# Altium PCB EPS.PcbDoc (part 5 of 11) (continued)
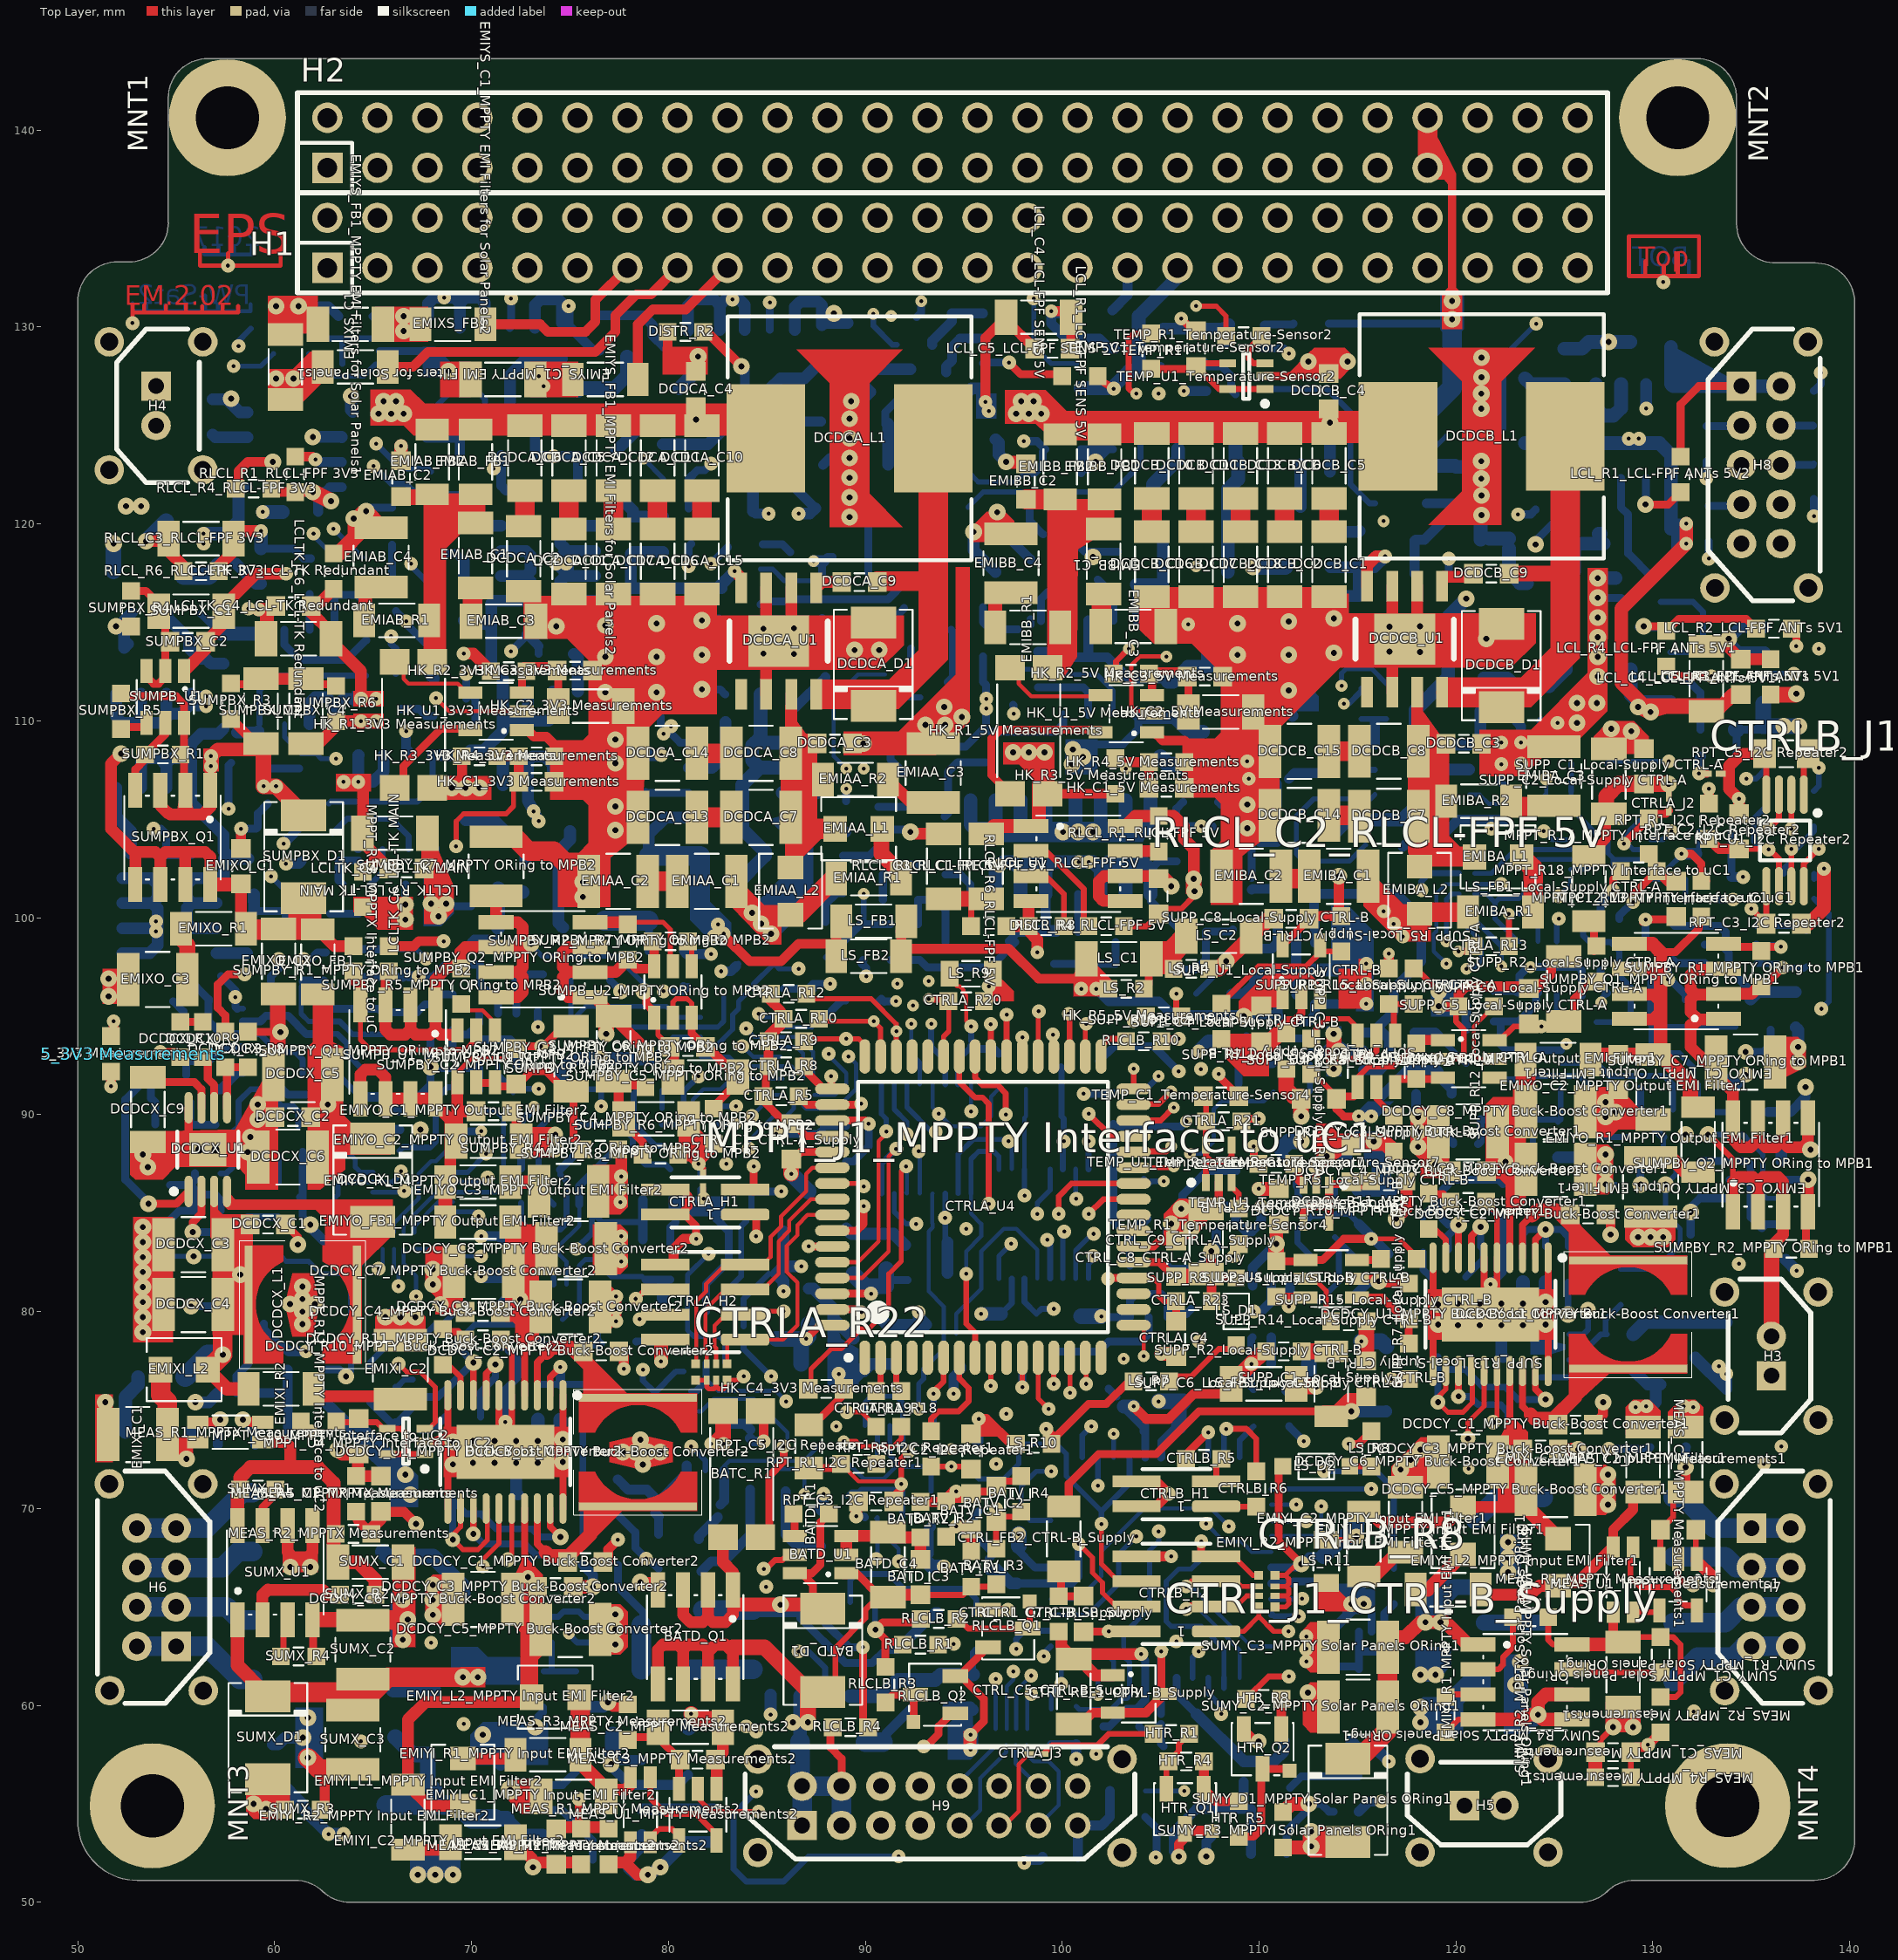
[diagram p0: Top Layer view]
## Nets (pads, with @x,y where several pads share a name; then routed paths per layer and width w, separated by ;. In a path a pad name is that pad's centre, name@x,y a point inside that pad or via, vN(x,y) a via of type N, cw(c..) or ccw(c..) an arc to the next point about the centre after c; other vN are vias at no path point) (continued)
  Signal 2 w0.208: v1(70.485,82.804) 72.263,82.804 72.771,82.296 75.692,82.296 76.2,82.804 76.2,86.614 77.216,87.63 78.867,87.63 79.502,88.265 82.169,88.265 v1(82.931,87.503)
  Control Signals 1 w0.254: v1(82.931,87.503) 85.217,85.217 86.487,85.217 89.662,82.042 92.837,82.042 94.107,80.772 97.028,80.772 97.917,79.883 97.917,77.978 v1(99.568,76.327)
  Bottom Layer w0.208: CTRLA_R1.5@67.081,83.185 68.453,83.185 68.834,82.804 v1(70.485,82.804)
CTRLA_SPI_MOSI: CTRLA_R1.6 CTRLA_R11.6 CTRLA_R16.5 CTRLA_R24.5 CTRLA_U4.12 | length 142.6
  Top Layer w0.254: CTRLA_U4.12@98.774,77.656 98.774,75.597 v1(99.314,75.057)
  Signal 1 w0.254: v1(96.622,61.341) 95.733,62.23 94.234,62.23 93.726,62.738 93.726,64.389 96.774,67.437 96.774,68.961 97.409,69.596 97.409,70.993 97.917,71.501 97.917,73.001 98.425,73.509 98.425,74.676 98.806,75.057 v1(99.314,75.057)
  Signal 2 w0.208: v1(67.183,80.772) 67.183,82.423 67.818,83.058 68.961,83.058 69.469,82.55 69.469,81.407 69.85,81.026 70.993,81.026 71.628,81.661 83.439,81.661 85.598,83.82 85.598,84.963 87.122,86.487 87.122,92.075 v1(88.138,93.091)
  Control Signals 2 w0.208: 85.598,82.296 84.455,82.296 82.296,84.455 81.28,84.455 80.645,85.09 80.645,89.408 84.328,93.091 v1(88.138,93.091)
  Control Signals 2 w0.254: 85.598,82.296 89.408,78.486 98.044,78.486 98.806,77.724 ; v1(99.314,75.057) 98.806,75.565 98.806,77.724 ; v3(119.507,98.806) 117.729,97.028 117.729,94.107 114.046,90.424 114.046,88.646 114.427,88.265 114.427,86.614 113.792,85.979 113.792,80.137 109.982,76.327 107.061,76.327 106.426,76.962 102.108,76.962 101.473,77.597 98.933,77.597 98.806,77.724
  Bottom Layer w0.208: CTRLA_R1.6@66.548,83.185 66.548,82.423 67.183,81.788 v1(67.183,80.772) ; CTRLA_R24.5@87.401,90.995 88.456,90.995 89.027,91.567 89.027,92.115 88.265,92.877 88.265,92.964 v1(88.138,93.091) ; CTRLA_R16.5@96.622,58.801 v1(96.622,61.341) ; v1(67.183,80.772) 67.102,80.772 67.183,80.691 v1(67.183,80.772)
  Bottom Layer w0.254: v3(119.507,98.806) 119.507,100.942 119.78,101.215 120.138,101.215 CTRLA_R11.6@120.142,101.219
CTRLA_SPI_SCK: CTRLA_R3.1 CTRLA_U4.11 | length 3.4
  Top Layer w0.254: v1(97.974,76.152) CTRLA_U4.11@97.974,77.656
  Bottom Layer w0.4: CTRLA_R3.1@97.906,77.978 CTRLA_R3.1@97.906,77.851 97.974,77.783 v1(97.974,76.152)
CTRLAB_3V3D: "LCL_R2_LCL-FPF ANTs 5V1.1" "LCL_R2_LCL-FPF ANTs 5V2.1" "LCL_R2_LCL-FPF CAMnadir 3V3.1" "LCL_R2_LCL-FPF CAMwing 3V3.1" "LCL_R2_LCL-FPF SENS 5V.1" "LCL_R2_LCL-FPF SunS 3V3.1" "LCLTK_R6_LCL-TK MAIN.1" "LCLTK_R6_LCL-TK Redundant.1" LS_R7.2 LS_R8.1 LS_R10.2 RLCLB_R1.2 SEL_R1.2 | length 245
  Top Layer w0.3: 137.044,114.681 137.287,114.438
  Top Layer w0.4: RLCLB_R1.2@93.699,63.081 94.45,63.081 v1(94.488,63.119) ; v1(99.187,74.041) 99.568,73.66 99.695,73.66 101.346,75.311 102.235,75.311 103.378,76.454 LS_R7.2@103.621,76.454 ; v1(114.554,73.279) 115.051,73.279 LS_R8.1@115.697,73.925 ; v1(137.287,113.792) 137.287,114.438
  Power w0.3: v1(61.976,119.507) 60.706,120.777 60.706,121.92 61.214,122.428 62.611,122.428 64.262,124.079 v1(65.151,124.079)
  Signal 1 w0.4: v1(94.488,63.119) 94.488,63.881 98.552,67.945 98.552,72.39 99.187,73.025 v1(99.187,74.041)
  Signal 1 w0.6: v1(82.169,123.063) 87.249,128.143 91.313,128.143 92.837,129.667 v3(92.837,131.318)
  Signal 1 w0.7: v2(124.041,118.961) 128.435,118.961 132.207,115.189 135.89,115.189 v1(137.287,113.792)
  Signal 2 w0.6: v1(59.817,102.108) 59.309,102.616 59.309,105.347 58.547,106.109 58.547,107.696 62.484,111.633 62.484,118.364 ; v1(61.976,119.507) 61.976,118.872 62.484,118.364 ; v1(82.169,123.063) 79.629,120.523 67.691,120.523 65.532,118.364 62.484,118.364
  Signal 2 w0.7: v3(92.837,131.318) 94.248,129.907 102.63,129.907 104.902,127.635 v1(104.902,126.619)
  Control Signals 1 w0.4: v1(114.554,73.279) 115.316,74.041 118.618,74.041 v3(120.65,72.009)
  Control Signals 1 w0.7: v1(104.902,126.619) 104.902,125.603 108.331,122.174 117.348,122.174 120.561,118.961 v2(124.041,118.961)
  Control Signals 2 w0.4: v3(114.186,111.774) 121.906,111.774 ; v3(120.65,72.009) 123.19,72.009 126.111,74.93 126.111,76.708 128.016,78.613 128.016,81.28 126.492,82.804 126.492,92.075 128.397,93.98 128.397,97.282 127,98.679 127,106.68 121.906,111.774 ; v2(124.041,118.961) 124.041,113.909 121.906,111.774
  Control Signals 2 w0.6: v1(99.187,74.041) 99.766,74.041 100.909,75.184 102.355,75.184 104.641,72.898 109.347,72.898 110.871,74.422 113.411,74.422 v1(114.554,73.279)
  Bottom Layer w0.254: v1@61.976,119.391 62.992,118.375 ; v3(114.186,111.774) 114.186,112.408 114.427,112.649 115.708,112.649 116.459,111.898
  Bottom Layer w0.3: v1(59.817,102.108) 60.325,101.6 61.457,101.6 ; v1@61.976,119.391 v1(61.976,119.507) ; v1(65.151,124.079) 66.421,122.809 67.807,122.809 67.945,122.671
  Bottom Layer w0.4: SEL_R1.2@81.026,120.788 81.026,122.29 81.476,122.74 81.846,122.74 v1(82.169,123.063) ; 92.6,130.5 92.837,130.737 v3(92.837,131.318) ; v2(124.041,118.961) 124.041,119.141 125.5,120.6
CTRLB_3V3a: "LS_FB1_Local-Supply CTRL-B.2" "SUPP_C1_Local-Supply CTRL-B.1" "SUPP_C2_Local-Supply CTRL-B.1" "TEMP_R5_Local-Supply CTRL-B.2" CTRL_FB1_CTRL-B_Supply.1 CTRL_FB2_CTRL-B_Supply.1 CTRLB_R10.2 | length 67.3
  Top Layer w0.4: CTRL_FB2_CTRL-B_Supply.1@100.33,70.103 100.33,71.247 101.854,72.771 104.775,72.771 106.935,74.931 113.284,74.931
  Top Layer w0.6: 113.284,74.931 113.92,74.931 114.543,75.554 114.935,75.554 ; v2(116.967,84.709) 117.486,85.228 117.486,86.614
  Power w0.6: v2(114.681,74.93) 114.681,77.089 113.792,77.978 113.792,83.439 115.062,84.709 v2(116.967,84.709)
  Signal 2 w0.6: v1(116.586,57.15) 116.586,63.373 117.221,64.008 117.221,69.469 119.507,71.755 119.507,73.533 118.11,74.93 118.11,81.788 116.967,82.931 v2(116.967,84.709)
  Bottom Layer w0.6: CTRL_FB1_CTRL-B_Supply.1@114.68,58.166 114.997,57.848 115.887,57.848 ; v2(114.681,74.93) 116.458,74.93 116.459,74.931 ; v1(116.586,57.15) 115.887,57.848 ; CTRLB_R10.2@116.586,58.663 115.887,57.964 115.887,57.848
CTRLB_3V3D: "RPT_C3_I2C Repeater2.2" "RPT_C5_I2C Repeater2.1" "RPT_R1_I2C Repeater2.1" "RPT_R2_I2C Repeater2.1" "RPT_U1_I2C Repeater2.1" "RPT_U1_I2C Repeater2.5" "RPT_U1_I2C Repeater2.8" "SUPP_C5_Local-Supply CTRL-B.1" "SUPP_C6_Local-Supply CTRL-B.1" "SUPP_R2_Local-Supply CTRL-B.1" "SUPP_U3_Local-Supply CTRL-B.6" CTRL_C1_CTRL-B_Supply.1 CTRL_C2_CTRL-B_Supply.1 CTRL_C8_CTRL-B_Supply.1 CTRL_C9_CTRL-B_Supply.1 CTRLA_R14.2 CTRLB_C3.1 CTRLB_C4.1 CTRLB_H2.4 CTRLB_R1.1 CTRLB_R2.1 CTRLB_R7.2 CTRLB_R8.1 CTRLB_R8.2 CTRLB_R8.3 CTRLB_R8.4 CTRLB_U1.5 CTRLB_U1.17 CTRLB_U1.38 LS_D2.A LS_R11.2 SEL_C3.1 SEL_R11.2 SEL_U2.5 | length 252.2
  Top Layer w0.254: v1(100.838,68.199) 101.533,67.504 101.533,66.742 102.049,66.226 102.049,65.718 102.742,65.025 CTRLB_H2.4@103.773,65.025 ; CTRLB_R8.1@110.807,65 111.354,65 111.506,65.152 111.506,65.406 111.354,65.558 ; CTRLB_R8.2@110.807,65.558 111.354,65.558 ; CTRLB_R8.3@110.807,66.041 111.379,66.041 ; CTRLB_R8.4@110.807,66.6 111.328,66.6 ; v2(112.141,67.183) 111.911,67.183 111.328,66.6 ; 111.328,66.6 111.506,66.422 111.506,66.168 111.379,66.041 ; 111.354,65.558 111.404,65.558 111.506,65.66 111.506,65.914 111.379,66.041
  Top Layer w0.3: LS_R11.2@113.411,68.41 114.765,68.41 v4(114.935,68.58) ; v1(135.001,100.457) 135.752,99.706 135.752,99.695 135.763,99.706 135.763,101.6 ; 137.668,101.6 137.668,102.743 v1(138.43,103.505) ; 137.668,106.25 137.668,108.12 137.879,108.331 138.43,107.78 v1(138.43,107.611)
  Top Layer w0.4: LS_D2.A@111.203,72.136 110.998,71.931 110.998,68.326 v2(112.141,67.183)
  Top Layer w0.5: v3(103.632,75.18) 104.263,74.549 105.41,74.549 106.68,75.819 108.204,75.819 ; 132.842,105.802 v1(132.842,106.553)
  Top Layer w0.8: 108.712,76.454 v1(109.601,77.343) 110.167,77.909
  Signal 1 w0.4: v1(100.711,57.277) 100.711,58.166 102.743,60.198 102.743,62.738 103.378,63.373 103.378,66.548 102.87,67.056 102.87,69.088 103.505,69.723 105.537,69.723 106.29,68.97 106.29,67.827 106.934,67.183 108.839,67.183 110.109,68.453 ; v1(100.838,68.199) 100.479,68.558 100.479,70.38 100.838,70.739 100.838,71.374 102.362,72.898 102.87,72.898 103.632,73.66 ; v3(103.632,75.18) 103.632,73.66 ; v2(112.141,67.183) 111.379,67.183 110.109,68.453 ; v3(116.332,120.142) 119.253,120.142 123.19,116.205 123.19,110.49 128.016,105.664 131.953,105.664 v1(132.842,106.553) ; 103.632,73.66 104.521,72.771 107.188,72.771 110.109,69.85 110.109,68.453
  Signal 1 w0.5: v1(105.918,92.202) 105.918,91.948 107.569,90.297 107.569,89.154 109.474,87.249 110.744,87.249 111.76,86.233 111.76,82.169 110.531,80.94 110.531,78.273 v1(109.601,77.343) ; v1(132.842,106.553) 134.493,108.204 137.837,108.204 v1(138.43,107.611) v1(138.43,103.505) 135.382,100.457 v1(135.001,100.457)
  Control Signals 1 w0.4: v3(87.376,118.11) 96.393,118.11 98.171,116.332 103.124,116.332 106.934,120.142 v3(116.332,120.142)
  Control Signals 1 w0.6: v1(109.601,77.343) 111.252,77.343 113.792,79.883 116.332,79.883 119.38,82.931 121.539,82.931 123.621,85.013 123.621,89.712 128.905,94.996 128.905,97.409 132.715,101.219 132.715,102.87 135.636,105.791 136.61,105.791 v1(138.43,107.611)
  Bottom Layer w0.254: SEL_R11.2@84.671,117.702 85.295,117.702 85.88,117.117 SEL_U2.5@87.806,117.117
  Bottom Layer w0.3: 138.176,106.437 138.43,106.691 v1(138.43,107.611)
  Bottom Layer w0.4: SEL_U2.5@87.806,117.117 87.806,118.043 87.873,118.11 88.089,118.326 SEL_C3.1@88.343,118.326 ; CTRLB_R7.2@95.758,69.85 95.504,69.596 95.504,68.708 96.52,67.692 CTRLB_C4.1@96.265,67.437 ; CTRLB_C3.1@97.699,66.193 CTRLB_U1.38@99.417,66.193 100.483,66.193 100.838,66.548 v1(100.838,68.199) ; CTRLB_R1.1@99.441,58.028 CTRLB_R2.1@100.584,58.028 CTRLB_R2.1@100.711,58.028 ; CTRLA_R14.2@101.865,92.71 102.627,93.472 104.648,93.472 v1(105.918,92.202) ; CTRL_C2_CTRL-B_Supply.1@102.363,76.073 CTRL_C2_CTRL-B_Supply.1@102.744,75.692 ; CTRL_C1_CTRL-B_Supply.1@104.129,73.914 CTRL_C1_CTRL-B_Supply.1@104.129,74.168 CTRL_C1_CTRL-B_Supply.1@104.129,74.179 ; CTRL_C1_CTRL-B_Supply.1@104.129,74.423 104.217,74.335 CTRLB_U1.5@104.217,72.593 ; 109.667,78.7 109.601,78.634 v1(109.601,77.343) 109.601,76.189 109.717,76.073 ; CTRLB_U1.17@110.617,66.993 111.95,66.993 112.533,67.576 CTRL_C8_CTRL-B_Supply.1@113.284,67.575
  Bottom Layer w0.5: v1(100.711,57.277) CTRLB_R2.1@100.711,58.028 ; CTRL_C2_CTRL-B_Supply.1@103.128,75.18 CTRL_C1_CTRL-B_Supply.1@104.129,74.179
  Bottom Layer w0.6: v3(87.376,118.11) SEL_C3.1@87.873,118.11 ; CTRLB_C4.1@96.266,66.929 96.647,66.929 97.383,66.193 CTRLB_C3.1@97.699,66.193
  Bottom Layer w0.7: CTRL_C2_CTRL-B_Supply.1@103.128,75.18 v3(103.632,75.18)
  Bottom Layer w0.8: CTRL_C8_CTRL-B_Supply.1@113.284,67.575 114.289,68.58 v4(114.935,68.58) 114.935,69.341 CTRL_C9_CTRL-B_Supply.1@115.062,69.468
CTRLB_BATC_Heater: CTRLB_U1.12 HTR_R6.1 | length 23
  Signal 2 w0.254: v1(115.697,70.993) 116.332,70.358 116.332,64.516 115.697,63.881 115.697,55.626 v1(116.205,55.118)
  Bottom Layer w0.254: CTRLB_U1.12@110.617,70.993 v1(115.697,70.993)
  Bottom Layer w0.5: HTR_R6.1@115.062,54.599 115.581,55.118 v1(116.205,55.118)
CTRLB_BATC_PT1000: CTRLB_R11.2 CTRLB_U1.32 | length 10.3
  Control Signals 2 w0.254: v3(101.817,60.528) 103.2,60.528 106.197,57.531 v3(106.197,55.651)
  Bottom Layer w0.254: v3(101.817,60.528) CTRLB_U1.32@101.817,61.393 ; CTRLB_R11.2@104.227,55.651 v3(106.197,55.651)
CTRLB_BURN_SADS: "LCLTK_R11_LCL-TK Redundant.2" "LCLTK_R12_LCL-TK Redundant.2" CTRLB_U1.16 | length 120.8
  Power w0.254: v1(60.452,103.759) 59.563,103.759 55.118,99.314 55.118,92.456 54.737,92.075 54.737,85.09 54.229,84.582 54.229,78.613 57.023,75.819 58.42,75.819 59.309,74.93 59.309,68.707 58.674,68.072 58.674,64.516 64.389,58.801 v1(64.389,58.166)
  Signal 1 w0.254: v1(64.389,58.166) 66.294,60.071 70.612,60.071 74.549,56.134 78.867,56.134 83.058,60.325 94.742,60.325 96.266,58.801 99.822,58.801 101.187,60.166 101.187,67.278 101.727,67.818 101.727,68.453 101.219,68.961 101.219,69.469 103.251,71.501 106.172,71.501 107.315,70.358 v1(107.315,69.229)
  Bottom Layer w0.208: v1(107.315,69.229) 107.301,69.229 108.204,68.326 109.093,68.326 109.626,67.793 CTRLB_U1.16@110.617,67.793
  Bottom Layer w0.4: 60.971,104.278 60.971,104.521 61.15,104.521 61.225,104.521
  Bottom Layer w0.5: v1(60.452,103.759) 60.971,104.278 ; 61.15,104.5 61.15,104.521 61.15,105.208 61.341,105.399
CTRLB_BURN_SAIL: "LCLTK_R3_LCL-TK Redundant.2" "LCLTK_R5_LCL-TK Redundant.2" CTRLB_U1.15 | length 116.8
  Signal 2 w0.254: v1(67.691,97.917) 68.961,96.647 68.961,92.075 68.199,91.313 65.659,91.313 59.055,84.709 59.055,77.47 60.071,76.454 60.071,71.628 63.754,67.945 63.754,62.103 71.755,54.102 80.518,54.102 83.312,51.308 100,51.308 104.572,55.88 104.572,57.201 109.22,61.849 109.22,65.786 111.76,68.326 112.522,68.326 113.157,68.961 v1(113.157,70.104)
  Bottom Layer w0.208: CTRLB_U1.15@110.617,68.593 112.789,68.593 113.157,68.961 v1(113.157,70.104)
  Bottom Layer w0.254: 65.494,98.376 67.232,98.376 v1(67.691,97.917)
  Bottom Layer w0.4: 64.25,98.4 65.494,98.4
CTRLB_HK_SUPP_TEMP: CTRLB_U1.34 TEMP_R1_Temperature-Sensor7.2 | length 39.3
  Top Layer w0.4: TEMP_R1_Temperature-Sensor7.2@109.728,87.376 v1(109.728,88.392)
  Signal 2 w0.208: v1(99.06,62.484) 101.219,64.643 104.521,64.643 105.029,64.135 106.934,64.135 107.95,65.151 107.95,66.802 109.474,68.326 109.474,71.628 110.744,72.898 110.744,77.47 108.966,79.248 108.966,80.499 111.633,83.166 111.633,85.852 109.728,87.757 v1(109.728,88.392)
  Bottom Layer w0.3: v1(99.06,62.484) 99.162,62.484 99.187,62.509 99.06,62.636 CTRLB_U1.34@99.417,62.993
CTRLB_HK_TEMP: CTRLB_U1.37 TEMP_R1_Temperature-Sensor5.2 | length 26
  Control Signals 1 w0.3: v1(108.458,69.088) 111.252,71.882 v1(113.284,71.882)
  Bottom Layer w0.208: CTRLB_U1.37@99.417,65.393 100.826,65.393 101.978,66.545 101.978,67.815 104.162,69.999 107.547,69.999 v1(108.458,69.088)
  Bottom Layer w0.3: v1(113.284,71.882) 115.951,71.882 116.84,70.993 TEMP_R1_Temperature-Sensor5.2@116.84,66.94
CTRLB_JTAG_R\E\S\E\T\: CTRLB_C2.1 CTRLB_H2.6 CTRLB_R7.1 CTRLB_U1.4 | length 18.8
  Top Layer w0.254: v1(101.99,69.215) 101.99,67.174 102.869,66.295 CTRLB_H2.6@103.773,66.295
  Bottom Layer w0.254: CTRLB_R7.1@95.504,71.766 95.769,71.501 97.028,71.501 97.79,72.263 97.79,73.036 CTRLB_C2.1@97.547,73.279 99.695,73.279 100.203,72.771 100.203,71.647 101.99,69.859 ; CTRLB_C2.1@97.42,73.279 CTRLB_C2.1@97.484,73.215
  Bottom Layer w0.3: v1(101.99,69.215) 101.99,69.859 103.417,71.286 CTRLB_U1.4@103.417,72.593 CTRLB_U1.4@103.301,72.709
CTRLB_JTAG_TCK: CTRLB_H2.1 CTRLB_R8.8 CTRLB_U1.21 | length 4.8
  Top Layer w0.254: CTRLB_H2.1@107.823,63.755 109.221,63.755 109.982,64.516 ; CTRLB_R8.8@109.982,65 109.982,64.516 ; v1(111.492,63.754) 110.744,63.754 109.982,64.516
CTRLB_JTAG_TDI: CTRLB_H2.7 CTRLB_R8.5 CTRLB_U1.24 | length 14.4
  Top Layer w0.254: CTRLB_H2.7@107.441,67.565 CTRLB_H2.7@107.823,67.565 108.712,67.565 109.677,66.6 CTRLB_R8.5@109.982,66.6
  Top Layer w0.4: CTRLB_H2.7@107.061,67.564 v1(107.061,68.326)
  Bottom Layer w0.254: v1(107.061,68.326) 107.061,67.437 106.553,66.929 105.918,66.929 105.283,66.294 105.283,64.262 105.537,64.008 107.061,64.008 108.217,62.852 CTRLB_U1.24@108.217,61.393
  Bottom Layer w0.3: CTRLB_U1.24@108.217,60.884 CTRLB_U1.24@108.217,61.393
CTRLB_JTAG_TDO: CTRLB_H2.3 CTRLB_R8.7 CTRLB_U1.23 | length 9
  Top Layer w0.254: CTRLB_H2.3@107.823,65.025 108.839,65.025 109.372,65.558 CTRLB_R8.7@109.982,65.558
  Top Layer w0.4: v1(106.299,64.898) 106.439,65.038 107.81,65.038 CTRLB_H2.3@107.823,65.025
  Bottom Layer w0.208: v1(106.299,64.898) 106.933,64.898 109.017,62.814 CTRLB_U1.23@109.017,61.393
CTRLB_JTAG_TMS: CTRLB_H2.5 CTRLB_R8.6 CTRLB_U1.22 | length 8.6
  Top Layer w0.254: CTRLB_H2.5@108.839,66.295 109.093,66.041 CTRLB_R8.6@109.982,66.041
  Top Layer w0.3: v1(106.299,66.041) 106.553,66.295 CTRLB_H2.5@107.823,66.295
  Bottom Layer w0.208: v1(106.299,66.041) 106.552,66.041 109.6,62.993 CTRLB_U1.22@110.617,62.993
  Bottom Layer w0.3: v1(106.299,66.041) v1@106.299,66.168
CTRLB_LCLs_ANTs_FlagB: "LCL_U1_LCL-FPF ANTs 5V1.7" CTRLB_R2.2 CTRLB_U1.30 | length 101.4
  Signal 1 w0.254: v1(104.902,68.834) 104.521,68.453 104.521,65.659 106.299,63.881 107.315,63.881 111.506,59.69 113.411,59.69 116.967,63.246 119.888,63.246 121.793,65.151 124.206,65.151 128.778,69.723 128.778,71.755 130.333,73.31 136.367,73.31 v1(136.525,73.152)
  Signal 2 w0.254: v1(136.525,73.152) 136.525,74.676 137.541,75.692 137.541,79.629 136.525,80.645 136.525,94.361 139.446,97.282 139.446,111.125 138.176,112.395 v1(137.16,112.395)
  Bottom Layer w0.254: CTRLB_R2.2@100.711,59.944 100.863,59.792 102.476,59.792 103.031,60.347 103.273,60.347 103.417,60.491 CTRLB_U1.30@103.417,61.393 103.417,62.191 103.124,62.484 103.124,63.627 104.439,64.942 104.439,67.863 104.902,68.326 v1(104.902,68.834) ; 135.672,112.215 135.852,112.395
  Bottom Layer w0.3: 135.852,112.395 v1(137.16,112.395)
CTRLB_LCLs_ANTs_ON: "LCL_R4_LCL-FPF ANTs 5V1.2" CTRLB_U1.26 | length 87.6
  Top Layer w0.4: 130.683,112.765 130.694,112.765 131.191,112.268 v1(132.969,112.268)
  Signal 1 w0.254: v1(106.934,62.738) 110.744,58.928 114.808,58.928 116.586,60.706 119.761,60.706 122.809,63.754 124.206,63.754 130.175,69.723 130.175,72.009 131.019,72.853 135.046,72.853 v1(135.636,72.263)
  Signal 2 w0.254: v1(132.969,112.268) 134.613,110.624 137.788,110.624 138.303,110.109 138.303,109.347 137.713,108.757 137.713,96.946 135.89,95.123 135.89,81.153 134.62,79.883 134.62,75.438 135.636,74.422 v1(135.636,72.263)
  Bottom Layer w0.3: CTRLB_U1.26@106.617,61.393 106.617,62.421 v1(106.934,62.738)
CTRLB_LCLs_TKred_FlagB: "LCLTK_U1_LCL-TK Redundant.7" CTRLB_R1.2 CTRLB_U1.31 | length 105.9
  Power w0.254: v1(63.119,108.077) 61.849,106.807 61.849,102.616 56.007,96.774 56.007,92.329 55.342,91.664 55.342,84.901 54.864,84.423 54.864,78.867 57.277,76.454 58.928,76.454 60.071,75.311 60.071,68.199 59.563,67.691 59.563,65.532 63.119,61.976 66.739,61.976 v1(67.945,63.182)
  Signal 1 w0.254: v1(67.945,63.182) 70.421,63.182 74.676,58.928 79.375,58.928 81.407,60.96 94.869,60.96 96.139,59.69 99.314,59.69 99.949,60.325 v1(99.949,61.087)
  Signal 2 w0.254: v1@67.945,63.119 v1(67.945,63.182)
  Bottom Layer w0.254: 60.5,109.84 60.5,109.172 61.341,108.331 62.103,108.331 62.357,108.077 v1(63.119,108.077) ; CTRLB_R1.2@99.441,59.828 99.441,60.579 v1(99.949,61.087) 99.949,61.849 100.838,62.738 102.108,62.738 102.617,62.229 CTRLB_U1.31@102.617,61.393
CTRLB_LCLs_TKred_ON: "LCLTK_R13_LCL-TK Redundant.2" CTRLB_U1.25 | length 131.8
  Signal 2 w0.3: v1(62.992,119.758) 62.354,120.396 61.468,120.396 59.563,118.491 59.563,116.967 60.452,116.078 60.452,111.125 57.785,108.458 57.785,106.934 55.118,104.267 55.118,85.09 54.356,84.328 54.356,77.724 55.499,76.581 57.785,76.581 59.309,75.057 59.309,71.247 62.992,67.564 62.992,61.722 71.374,53.34 80.137,53.34 82.804,50.673 107.442,50.673 108.585,51.816 108.585,59.055 v1(108.077,59.563)
  Bottom Layer w0.254: v1(62.992,119.758) 64.45,118.3
  Bottom Layer w0.3: CTRLB_U1.25@107.417,61.393 107.417,60.604 108.077,59.944 v1(108.077,59.563)
CTRLB_Vref: CTRL_C5_CTRL-B_Supply.1 CTRL_C6_CTRL-B_Supply.1 CTRL_R1_CTRL-B_Supply.1 CTRL_REF1_CTRL-B_Supply.1 CTRLB_R9.2 CTRLB_U1.29 | length 28.6
  Top Layer w0.6: CTRL_R1_CTRL-B_Supply.1@99.949,63.743 99.949,62.991 CTRL_C5_CTRL-B_Supply.1@100.584,62.356 ; CTRL_REF1_CTRL-B_Supply.1@102.576,61.529 101.666,61.529 100.839,62.356 CTRL_C5_CTRL-B_Supply.1@100.584,62.356 ; v1(104.013,62.611) 100.839,62.611 CTRL_C5_CTRL-B_Supply.1@100.584,62.356
  Control Signals 2 w0.4: v1(104.013,62.611) 104.013,61.265 107.569,57.709 107.569,55.22 106.756,54.407 105.512,54.407 104.75,53.645 v1(104.75,52.273)
  Bottom Layer w0.4: CTRL_C6_CTRL-B_Supply.1@102.097,58.928 102.387,58.928 103.276,59.817 103.759,59.817 104.217,60.275 CTRLB_U1.29@104.217,61.393 104.217,62.28 104.013,62.484 v1(104.013,62.611) ; CTRLB_R9.2@104.227,54.331 104.8,53.758 104.8,52.323 v1(104.75,52.273)
DGND: "HK_C4_3V3 Measurements.2" "HK_C4_5V Measurements.2" "HK_C4_VBAT Measurements.2" "RPT_C1_I2C Repeater1.2" "RPT_C1_I2C Repeater2.2" "RPT_C2_I2C Repeater1.2" "RPT_C2_I2C Repeater2.2" "RPT_C3_I2C Repeater1.1" "RPT_C3_I2C Repeater2.1" "RPT_C5_I2C Repeater1.2" "RPT_C5_I2C Repeater2.2" "RPT_U1_I2C Repeater1.4" "RPT_U1_I2C Repeater2.4" CTRL_C1_CTRL-A_Supply.2 CTRL_C1_CTRL-B_Supply.2 CTRL_C2_CTRL-A_Supply.2 CTRL_C2_CTRL-B_Supply.2 CTRL_C3_CTRL-A_Supply.2 CTRL_C3_CTRL-B_Supply.2 CTRL_C4_CTRL-A_Supply.2 CTRL_C4_CTRL-B_Supply.2 CTRL_C5_CTRL-A_Supply.2 CTRL_C5_CTRL-B_Supply.2 CTRL_C6_CTRL-A_Supply.2 CTRL_C6_CTRL-B_Supply.2 CTRL_C7_CTRL-A_Supply.2 CTRL_C7_CTRL-B_Supply.2 CTRL_C8_CTRL-A_Supply.2 CTRL_C8_CTRL-B_Supply.2 CTRL_C9_CTRL-A_Supply.2 CTRL_C9_CTRL-B_Supply.2 CTRL_J1_CTRL-A_Supply.2 CTRL_J1_CTRL-B_Supply.2 CTRL_REF1_CTRL-A_Supply.2 CTRL_REF1_CTRL-A_Supply.3 CTRL_REF1_CTRL-B_Supply.2 CTRL_REF1_CTRL-B_Supply.3 CTRLA_C1.2 CTRLA_C2.2 CTRLA_C3.2 CTRLA_C4.2 CTRLA_C5.2 CTRLA_H1.2 CTRLA_H1.4 CTRLA_H2.2 CTRLA_H2.8 CTRLA_R6.1 CTRLA_R7.1 CTRLA_R15.1 CTRLA_U1.1 CTRLA_U1.3 CTRLA_U2.3 CTRLA_U2.15 CTRLA_U3.3 CTRLA_U3.15 CTRLA_U4.22 CTRLA_U4.53 CTRLA_U4.63 CTRLB_C1.2 CTRLB_C2.2 CTRLB_C3.2 CTRLB_C4.2 CTRLB_H1.2 CTRLB_H1.4 CTRLB_H2.2 CTRLB_H2.8 CTRLB_J1.2 CTRLB_R4.1 CTRLB_U1.6 CTRLB_U1.18 CTRLB_U1.28 CTRLB_U1.39 LS_R9.1 LS_R10.1 LS_R11.1 TEMP_C1_Temperature-Sensor4.2 TEMP_C1_Temperature-Sensor5.2 TEMP_U1_Temperature-Sensor4.2 TEMP_U1_Temperature-Sensor5.2 | length 124.1
  Top Layer w0.208: LS_R9.1@94.023,97.155 94.663,96.515 94.8,96.515 94.98,96.335 94.98,96.198 95.123,96.055 95.123,94.742 v1(95.377,94.488)
  Top Layer w0.3: CTRLA_H1.2@79.845,84.925 80.607,84.925 CTRLA_H1.2@80.81,84.925 ; CTRLB_J1.2@133.452,107.315 133.858,107.315 ; 135.679,108.331 135.763,108.247 135.763,106.25
  Top Layer w0.4: CTRLA_H2.2@79.375,78.613 CTRLA_H2.2@79.629,78.359 ; CTRLA_H1.4@79.845,86.195 80.683,86.195 81.026,85.852 81.026,85.344 CTRLA_H1.2@80.607,84.925 ; CTRLA_H1.2@80.81,84.925 81.407,84.328 v1(81.407,83.693) ; CTRL_C1_CTRL-A_Supply.2@86.36,87.746 86.72,88.106 CTRLA_U4.53@88.324,88.106 ; 87.122,74.252 87.466,74.596 87.71,74.596 89.038,75.924 89.038,76.189 88.646,76.581 v1(88.646,76.835) ; CTRLA_U4.63@88.324,80.106 89.671,80.106 v1(89.804,79.973) 89.891,79.973 v1@89.916,79.948 ; CTRL_C7_CTRL-B_Supply.2@101.219,63.743 102.351,63.743 v1(102.362,63.754) ; CTRLA_U4.22@103.624,83.306 104.642,83.306 104.913,83.577 CTRL_C8_CTRL-A_Supply.2@105.664,83.577 ; v1(105.029,62.739) 105.029,60.746 CTRL_REF1_CTRL-B_Supply.3@105.196,60.579 ; CTRLA_C4.2@105.653,77.851 CTRLA_C4.2@105.791,77.713 ; CTRL_C9_CTRL-A_Supply.2@107.95,85.09 TEMP_U1_Temperature-Sensor4.2@107.95,86.553 ; v1(107.95,92.075) 107.95,91.959 TEMP_C1_Temperature-Sensor4.2@108.977,90.932 ; LS_R11.1@113.411,66.21 114.47,65.151 v4(114.681,65.151)
  Top Layer w0.5: CTRLA_H2.8@80.264,82.423 80.264,83.185 80.772,83.693 v1(81.407,83.693) ; v1(95.758,74.549) 96.139,74.549 97.409,73.279 LS_R10.1@97.652,73.279 ; CTRL_C5_CTRL-B_Supply.2@100.584,59.056 100.966,59.056 101.539,59.629 CTRL_REF1_CTRL-B_Supply.2@102.576,59.629 104.246,59.629 CTRL_REF1_CTRL-B_Supply.3@105.196,60.579 ; CTRLB_H2.2@103.773,63.755 CTRLB_H2.2@104.521,63.755 ; CTRLB_H2.8@103.773,67.565 v1(105.537,67.565) ; CTRLB_H1.2@103.773,70.105 104.775,70.105 v1(105.41,70.74) 104.775,71.375 CTRLB_H1.4@103.773,71.375
  Top Layer w0.6: v1(89.535,69.596) 89.535,70.242 89.651,70.358 ; 134.366,105.294 v1(134.366,106.045) 133.858,106.553 133.858,107.315 133.858,107.696 134.493,108.331 135.679,108.331
  Top Layer w0.7: v1(79.629,77.47) CTRLA_H2.2@79.629,78.359 ; v1(105.029,77.851) CTRLA_C4.2@105.653,77.851 ; 137.552,99.695 137.922,99.695 138.684,100.457 v1(138.684,102.489)
  Top Layer w0.8: CTRL_C1_CTRL-A_Supply.2@86.222,87.757 CTRL_C1_CTRL-A_Supply.2@86.233,87.746 ; v1(86.233,86.995) CTRL_C1_CTRL-A_Supply.2@86.233,87.492
  Bottom Layer w0.208: CTRLA_U3.3@98.085,87.23 98.085,89.841 CTRLA_C2.2@98.16,89.916 CTRLA_R15.1@98.16,91.186 CTRLA_R15.1@98.16,91.313
  Bottom Layer w0.254: v1(98.085,85.893) CTRLA_U3.3@98.085,87.23
  Bottom Layer w0.3: CTRLA_U2.3@94.066,85.998 94.066,84.766 94.066,83.364 CTRL_C7_CTRL-A_Supply.2@94.118,83.312 ; CTRLA_U2.15@94.716,91.548 94.716,92.8 CTRLA_C1.2@95.261,93.345 ; CTRLA_C1.2@95.377,93.737 v1(95.377,94.488) ; CTRLA_C3.2@96.89,79.883 97.435,80.428 CTRLA_U3.15@97.435,81.68 ; 138.187,102.235 138.187,101.97 138.684,102.467 v1(138.684,102.489)
  Bottom Layer w0.4: v1(89.535,69.596) 89.941,69.596 89.98,69.557 ; CTRLA_C1.2@95.388,93.472 95.515,93.345 96.531,93.345 96.774,93.102 ; CTRLB_C2.2@95.62,73.279 CTRLB_C2.2@95.758,73.417 ; CTRLB_C3.2@97.663,67.957 98.627,66.993 CTRLB_U1.39@99.417,66.993 ; v1(101.981,79.756) 102.021,79.716 CTRLA_U1.3@103.444,79.716 103.444,80.584 103.759,80.899 105.029,80.899 105.344,80.584 CTRLA_U1.1@105.344,79.716 105.511,79.883 106.31,79.883 CTRLA_C5.2@106.553,80.126 ; CTRL_C6_CTRL-B_Supply.2@103.897,58.928 104.151,58.674 104.637,58.674 105.018,59.055 105.018,58.051 CTRL_C3_CTRL-B_Supply.2@105.157,57.912 ; CTRL_C4_CTRL-B_Supply.2@105.018,59.563 105.017,59.564 CTRLB_U1.28@105.017,61.393 105.017,62.727 v1(105.029,62.739) ; CTRLB_U1.6@105.017,72.593 105.029,72.605 105.029,73.396 105.929,74.296 CTRL_C1_CTRL-B_Supply.2@106.056,74.423 ; CTRLA_R7.1@105.294,83.693 105.294,84.212 v2(105.537,84.455) ; v2(106.045,85.217) 106.111,85.283 106.111,85.918 107.326,87.133 CTRLB_C1.2@107.569,87.133 CTRLB_R4.1@108.839,87.133 ; CTRLB_U1.18@110.617,66.193 111.633,66.193 111.739,66.299 112.887,66.299 CTRL_C8_CTRL-B_Supply.2@113.411,65.775 ; v4@114.681,64.781 v4(114.681,65.151) v4@114.808,65.024 ; v4(115.316,65.151) 115.712,64.755 TEMP_U1_Temperature-Sensor5.2@115.712,63.749
  Bottom Layer w0.5: CTRLB_C4.2@92.965,67.437 93.218,67.69 93.218,68.95 93.345,69.077 ; CTRLB_C2.2@95.758,73.417 v1(95.758,74.549) ; TEMP_C1_Temperature-Sensor5.2@113.665,63.765 v4@114.681,64.781
  Bottom Layer w0.6: CTRL_C4_CTRL-A_Supply.2@87.122,81.164 87.365,81.164 88.392,80.137 88.392,79.63 CTRL_C5_CTRL-A_Supply.2@89.408,78.614 ; CTRL_C3_CTRL-A_Supply.2@89.915,76.962 90.296,77.343 91.429,77.343 ; CTRL_C6_CTRL-A_Supply.2@90.932,79.491 CTRL_C6_CTRL-A_Supply.2@91.059,79.364 91.088,79.335 93.091,79.335 92.71,79.716 v1(92.71,79.97) ; CTRL_REF1_CTRL-A_Supply.2@94.168,81.955 CTRL_C7_CTRL-A_Supply.2@94.168,83.516
  Bottom Layer w0.7: CTRLB_C4.2@92.965,67.437 93.346,67.056 v1(93.98,67.056) ; v1(95.885,79.883) CTRLA_C3.2@96.89,79.883
  Bottom Layer w0.8: v1(86.233,86.995) CTRL_C2_CTRL-A_Supply.2@87.121,86.107 ; v1(88.646,76.835) 89.28,76.835 89.407,76.708 CTRL_C3_CTRL-A_Supply.2@89.661,76.962 ; CTRLB_C3.2@97.79,68.084 v1(97.79,68.707) ; CTRLA_R6.1@100.965,79.767 100.976,79.756 v1(101.981,79.756) ; v1(104.902,75.438) 106.17,75.438 105.929,75.197 105.929,74.296 CTRL_C1_CTRL-B_Supply.2@105.929,74.168 ; CTRL_C8_CTRL-B_Supply.2@113.411,65.775 114.669,65.775 CTRL_C9_CTRL-B_Supply.2@115.062,66.168
  other v1: 94.05,84.766
  other v2: 106.553,84.201
"MPPT_3V3A_MPPTX Interface to uC": "MPPT_C3_MPPTX Interface to uC.2" "MPPT_C5_MPPTX Interface to uC.1" "MPPT_C8_MPPTX Interface to uC.1" "MPPT_R6_MPPTX Interface to uC.2" "MPPT_R8_MPPTX Interface to uC.2" "MPPT_R11_MPPTX Interface to uC.1" "MPPT_R16_MPPTX Interface to uC.1" "MPPT_R17_MPPTX Interface to uC.1" "MPPT_U1_MPPTX Interface to uC.8" "MPPT_U2_MPPTX Interface to uC.3" "MPPT_U3_MPPTX Interface to uC.2" "MPPT_U5_MPPTX Interface to uC.6" CTRLA_J1.1 | length 55.3
  Power w0.4: v1(73.368,94.45) v1@73.368,94.577
  Signal 1 w0.4: v2(67.907,92.418) 69.939,94.45 v1(73.368,94.45)
  Signal 2 w0.4: v4(55.88,82.804) 57.15,84.074 57.15,84.963 60.325,88.138 60.325,89.408 63.335,92.418 v2(67.907,92.418)
  Bottom Layer w0.254: 54.572,82.501 54.875,82.804 v4(55.88,82.804) 60.325,82.804 60.579,82.55 61.722,82.55 62.357,81.915 63.881,81.915 ; 63.344,84.662 63.938,85.257 64.249,85.568 64.993,85.568 ; v2@67.945,92.291 70.172,92.291 70.386,92.505
  Bottom Layer w0.3: 62.432,93.434 62.432,92.824 63.219,92.037 64.351,90.905 ; 63.5,84.455 64.351,83.604 64.351,82.385 63.881,81.915 CTRLA_J1.1@63.881,79.858 ; 66.271,90.193 66.597,90.193
  Bottom Layer w0.4: 66.597,90.193 67.907,91.503 v2(67.907,92.418) 67.907,93.804 ; 70.386,91.225 70.386,92.505 ; v1(73.368,94.45) 73.368,95.239
  Bottom Layer w0.5: 64.351,90.905 65.559,90.905 66.271,90.193